# Altium PCB Light Control - 8-16 in 16-32 out MainBlock.PcbDoc
Units mm, origin at the board's own origin, x right, y up, seen from the top; angles counter-clockwise.
Board outline 152.4 x 101.6 mm, 2 copper layers (Top Layer, Bottom Layer); 29 components, 28 nets, 120 pads, 21 vias.
Unrouted connection lines stored in the file: 1.
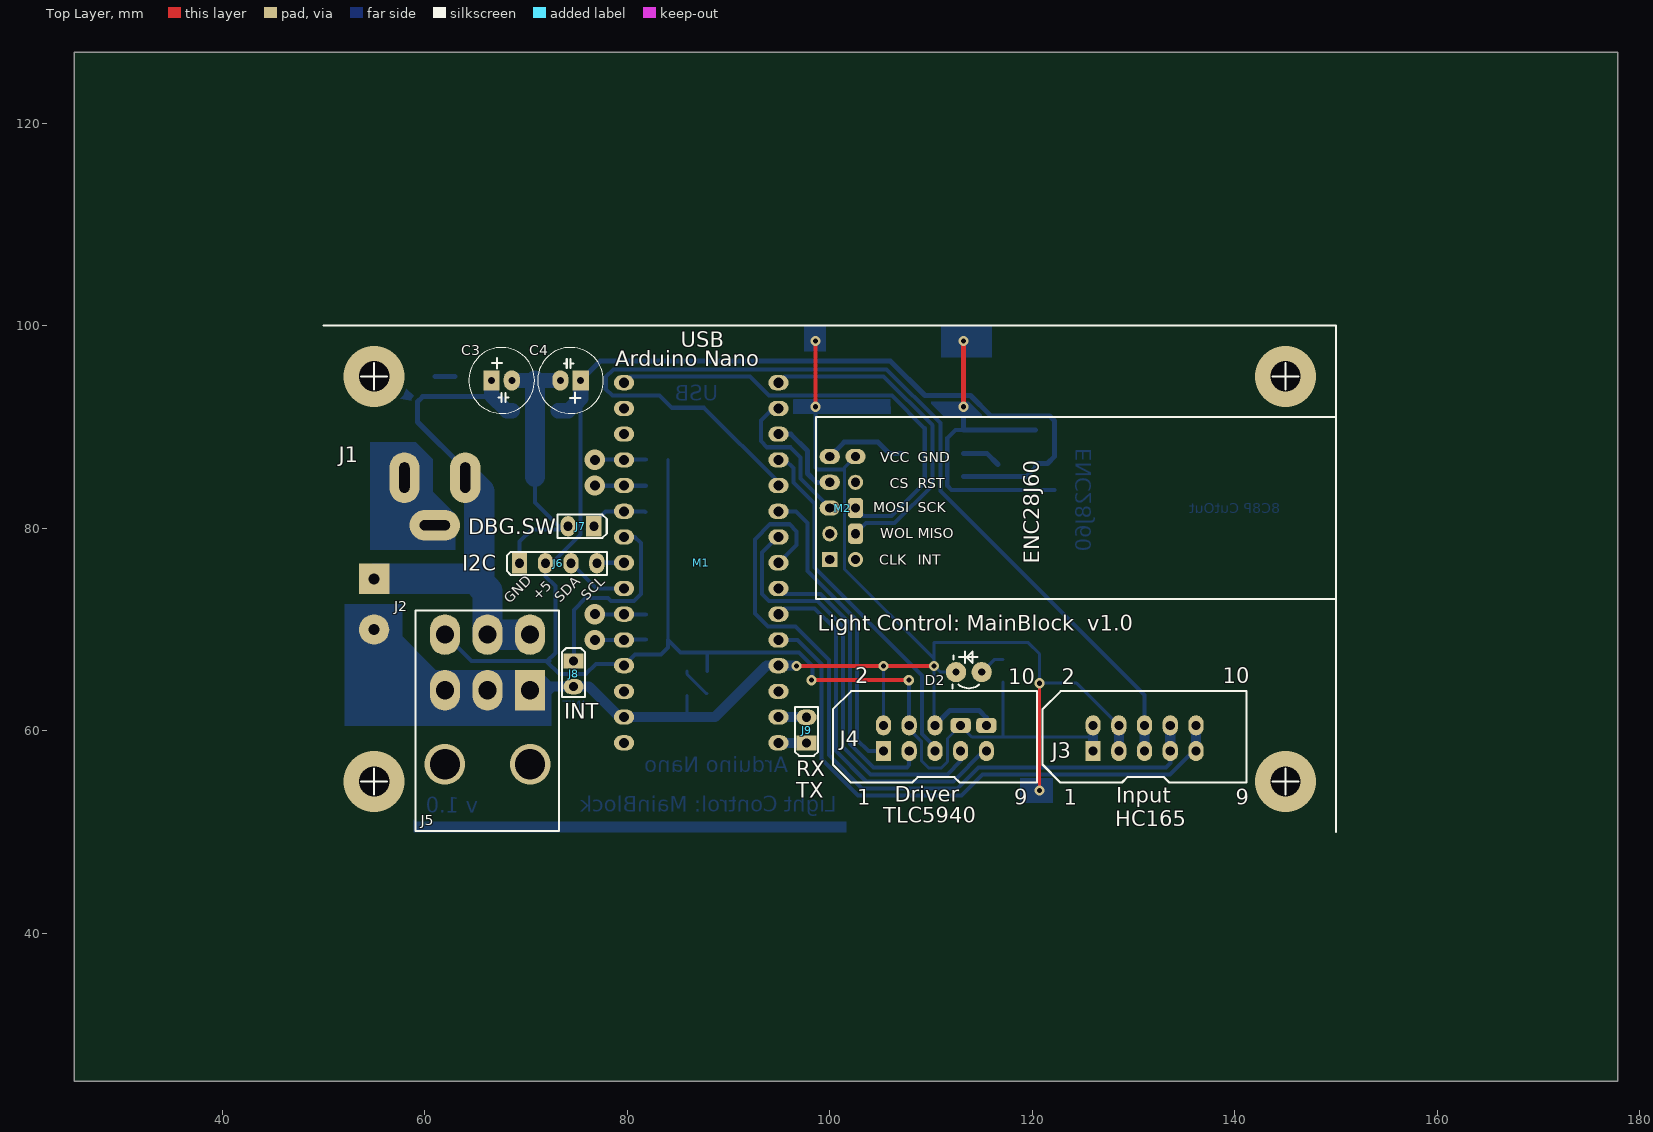
[diagram p0: Top Layer view]
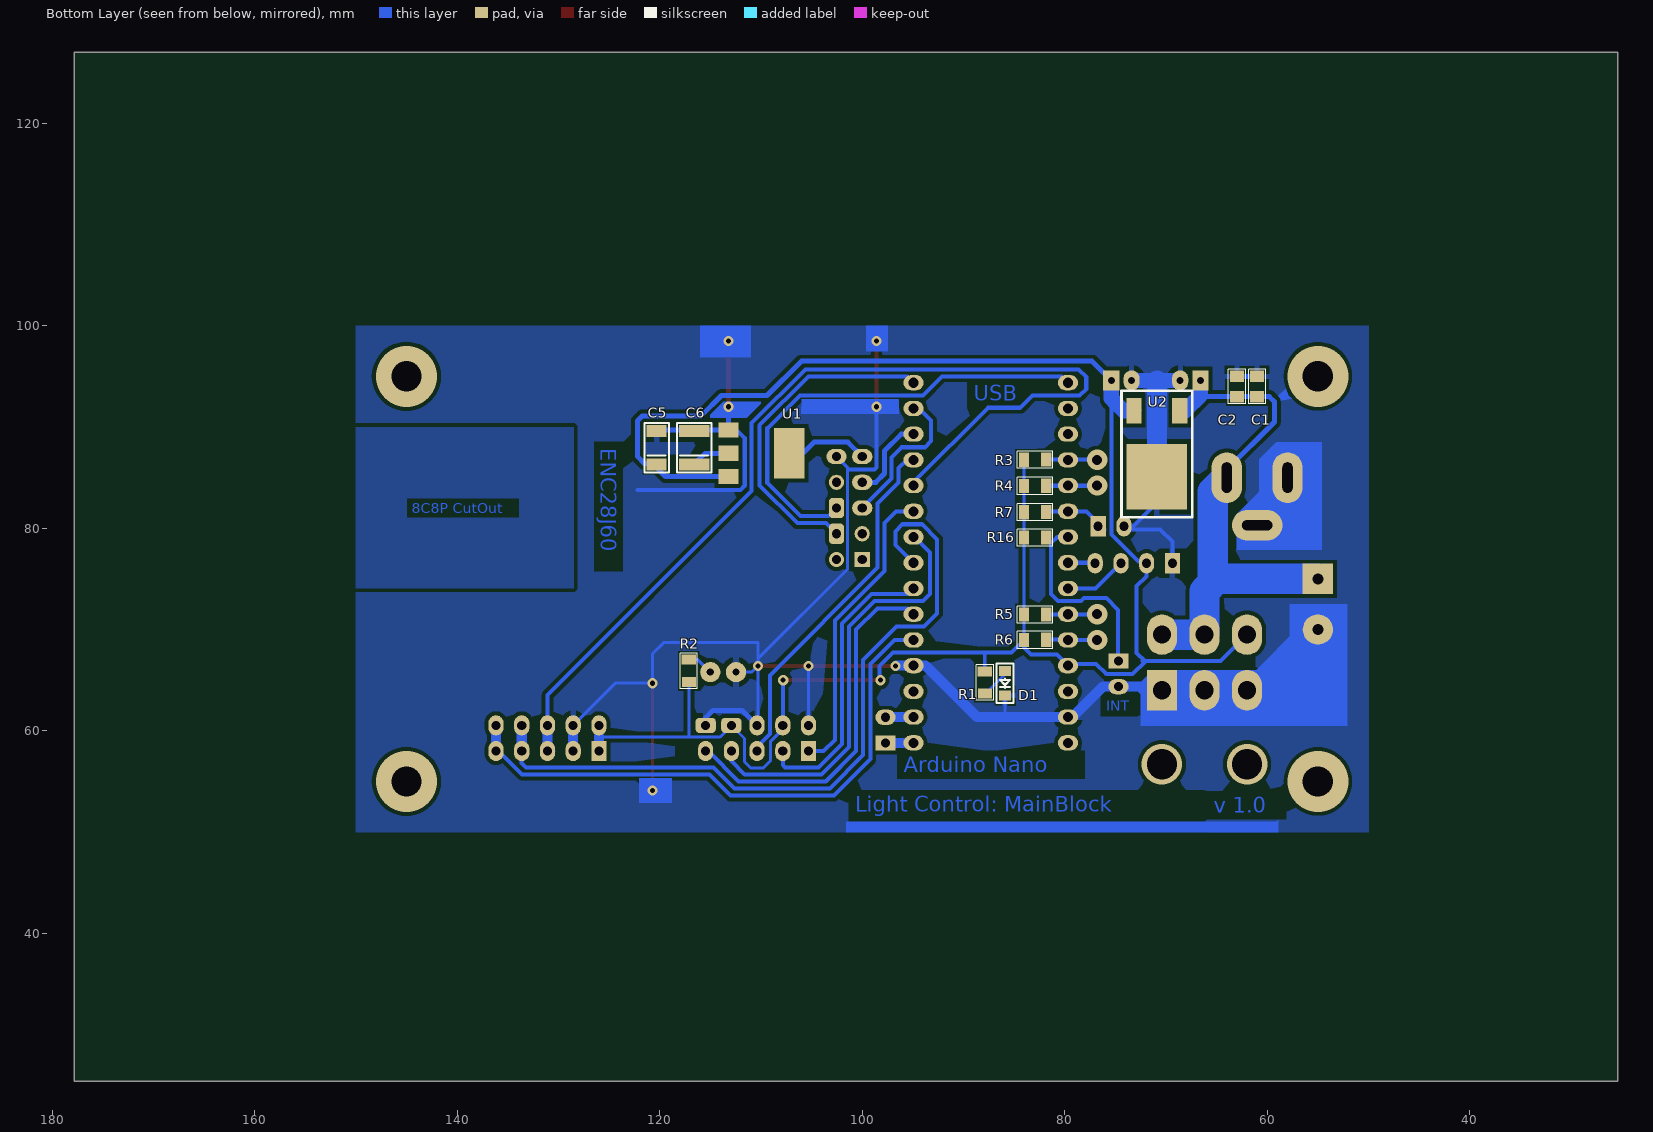
[diagram p1: Bottom Layer view, seen from below]

## Layer stack, top to bottom
Top Solder: solder mask 0.0102, Solder Resist, Dk 3.5
Top Layer: signal copper 0.0356
Dielectric 1: dielectric 0.32, FR-4, Dk 4.8
Bottom Layer: signal copper 0.0356
Bottom Solder: solder mask 0.0102, Solder Resist, Dk 3.5

## Board outline
25.4,25.4 177.8,25.4 177.8,127 25.4,127

## Design rules (kind name [scope] priority, off if disabled: settings)
Clearance Poly [InPolygon] p1: gap=0.4
Clearance [All] p2: gap=0.2
PlaneConnect [All] p1: planeconnectstyle=Relief reliefexpansion=0.508 reliefentries=4 reliefconductorwidth=0.5 reliefairgap=0.5
PolygonConnect "VIA to GND" [IsVia vs InNet('GND')] p1: connectstyle=Relief reliefconductorwidth=0.5 reliefentries=4 polygonreliefangle="90 Angle" airgapwidth=0
PolygonConnect [All] p2: connectstyle=Relief reliefconductorwidth=0.5 reliefentries=4 polygonreliefangle="90 Angle" airgapwidth=0.5
RoutingVias [All] p1: holewidth=0.711 width=1.27 viastyle="Through Hole" minholewidth=0.711 minwidth=1.27 maxholewidth=0.711 maxwidth=1.27
SolderMaskExpansion [All] p1: expansion=0.102
Width [All] p1: maxlimit=3 minlimit=0.3 preferedwidth=0.4
28 further rules are at their usual default settings.

## Components (designator, comment, footprint, x,y, rotation, side; value= is the part's Value field where it differs from the comment)
C1 "0.01uF" "SMD 0805 (2012)"#1 61,93 r90 bottom
C2 "0.1uF" "SMD 0805 (2012)"#1 63,93 r90 bottom
C3 "25v 220mF" "Cap E p2mm D6.5xH11" 66.6,94.6 r0 top
C4 "220mF 16v" "Cap E p2mm D6.5xH11" 75.4,94.6 r180 top
C5 "10uF" "SMD 1206 Tantal (3216)" 120.3,86.3 r90 bottom
C6 "22uF" "SMD 3528 Tantal (1210)" 116.6,86.3 r90 bottom
D1 "Green" "LED SMD 0805 Green" 85.9,65.9 r270 bottom
D2 "FYL-3014GD" "LED Round 3mm Green" 115,65.8 r180 top
J1 "Connector" "DC Connector" 64,85 r180 top
J2 "Connector" "DG301 5mm 2p" 55,75 r270 top
J3 "to HC165" "LINE 2.54 x 10D (2 x 5) - BH"#1 126,58 r90 top
J4 "TO TLC5490" "LINE 2.54 x 10D (2 x 5) - BH"#2 105.3,58 r90 top
J5 "To TLC5490 PowerLine" "Molex Mini-Fit Jr - 6Pin R" 62,64 r90 top
J6 "I2C" "Line 2.54 X 4" 69.375,76.55 r90 top
J7 "ON/OFF Display and serial" "Line 2.54 x 2" 76.7,80.2 r270 top
J8 "Int0" "Line 2.54 x 2" 74.7,66.9 r0 top
J9 "RX-TX" "Line 2.54 x 2" 97.7,58.8 r180 top
M1 "Arduino Nano" "Arduino Nano" 94.925,94.375 r270 top
M2 "ENC28J60" "ENC28J60 MiNi" 100,82 r0 top
R1 "4.7k Om" "SMD 0805 (2012)"#2 87.9,65.8 r270 bottom
R2 "4.7k Om" "SMD 0805 (2012)"#2 117.1,64.9 r90 bottom
R3 "10kOm" "SMD 0805 (2012)"#2 81.9,86.8 r0 bottom
R4 "10kOm" "SMD 0805 (2012)"#2 81.9,84.2 r0 bottom
R5 "10kOm" "SMD 0805 (2012)"#2 81.9,71.5 r0 bottom
R6 "10kOm" "SMD 0805 (2012)"#2 81.9,69 r0 bottom
R7 "10kOm" "SMD 0805 (2012)"#2 81.9,81.6 r0 bottom
R16 "10kOm" "SMD 0805 (2012)"#2 81.9,79.1 r0 bottom
U1 "AMS1117 1.5 / 1.8 / 2.5 / 2.85 / 3.3 / 5.0" "SOT-223-3 (AMS)" 106.2,87.4 r270 bottom
U2 "7805C" D-PAK 70.9,85.1 r90 bottom

## Footprints (in the part's own frame and the unit in brackets; to place one, negate y for a bottom-side part, rotate by r counter-clockwise, add the part's x,y. Pads: shape width x height; smd on the part's side, far side on the other; paste and mask are expansions set on the pad)
"Arduino Nano" [mm]
  oval 1.5x2 hole 1: 3V3(2.54,-15.24) 5V(27.94,-15.24) A0(7.62,-15.24) A1(10.16,-15.24) A2(12.7,-15.24) A3(15.24,-15.24) A4(17.78,-15.24) A5(20.32,-15.24) A6(22.86,-15.24) A7(25.4,-15.24) AREF(5.08,-15.24) D2(25.4,0) D3(22.86,0) D4(20.32,0) D5(17.78,0) D6(15.24,0) D7(12.7,0) D8(10.16,0) D9(7.62,0) D10(5.08,0) D11(2.54,0) D12(0,0) D13(0,-15.24) GND(27.94,0) GND(33.02,-15.24) Reset(30.48,-15.24) Reset(30.48,0) RXD(33.02,0) TXD(35.56,0) VIN(35.56,-15.24)
  body extent -5.51,-16.53 39.41,1.27, height 21.18
"Cap E p2mm D6.5xH11" [mm] "D 6.5mm; H 11mm"
  rect 1.6x2 hole 0.7: 1(0,0)
  oval 1.6x2 hole 0.7: 2(2,0)
  silkscreen extent -2.25,-3.25 4.25,3.25, body extent -2.22,-3.22 4.27,3.28, height 11.49
D-PAK [mm]
  rect 2.54x1.5 smd: 1(6.5,-2.25) 3(6.5,2.25)
  rect 6.48x5.97 smd: 2(0,0)
  silkscreen extent -4,-3.5 8.5,3.5, body extent -2.7,-3.29 7,3.29, height 2.3
"DC Connector" [mm] "Ext Pin D: 5.5mm; Int Pin D: 2.5mm"
  oval 5x3 hole 1 slot 3 at 0 deg: GND(3,4.7)
  oval 3x5 hole 1 slot 3 at 90 deg: GND(6,0) VCC(0,0)
  body extent -0.2,-4.53 13.63,4.98, height 11
"DG301 5mm 2p" [mm]
  rect 3x3 hole 1.1: 1(0,0)
  round 3 hole 1.1: 2(5,0)
  body extent -3.1,-3.4 7.5,4.2, height 10
"ENC28J60 MiNi" [mm]
  rect 1.5x1.5 hole 0.9: CLK(0,-5.08)
  oval 2x1.5 hole 0.9: CS(0,2.54) GND(2.54,5.08) MOSI(0,0) VCC(0,5.08)
  round 1.5 hole 0.9: INT(2.54,-5.08) RESET(2.54,2.54) WOL(0,-2.54)
  rrect50% 1.5x2 hole 0.9: MISO(2.54,-2.54) SCK(2.54,0)
  silkscreen extent -1.35,-9 50,9, body extent -1.3,-9 50,9, height 14.1
"LED Round 3mm Green" [mm]
  round 2 hole 0.7: A(0,0) K(2.54,0)
  silkscreen extent 0.25,-2.03 2.88,1.63, body extent -0.39,-1.65 2.91,1.64, height 5.51
"LED SMD 0805 Green" [mm]
  rect 1x1.143 smd: A(0,0) K(2.425,0)
  silkscreen extent -0.75,-0.82 3.17,0.83, body extent 0.22,-0.62 2.24,0.63, height 1.1
"Line 2.54 x 2" [mm]
  rect 2x1.5 hole 0.9: 1(0,0)
  oval 2x1.5 hole 0.9: 2(0,-2.54)
  silkscreen extent -1.15,-3.57 1.15,1.28, body extent -1.25,-3.69 1.25,1.39, height 8.3
"Line 2.54 X 4" [mm]
  rect 2x1.5 hole 0.9: 1(0,0)
  oval 2x1.5 hole 0.9: 2(0,-2.54) 3(0,-5.08) 4(0,-7.62)
  silkscreen extent -1.17,-8.62 1.12,1.27, body extent -1.25,-8.78 1.25,1.38, height 8.2
"LINE 2.54 x 10D (2 x 5) - BH"#1 [mm]
  rect 2x1.5 hole 0.9: 1(0,0)
  oval 2x1.5 hole 0.9: 2(2.54,0) 3(0,-2.54) 4(2.54,-2.54) 5(0,-5.08) 6(2.54,-5.08) 7(0,-7.62) 8(2.54,-7.62) 9(0,-10.16) 10(2.54,-10.16)
  silkscreen extent -3.1,-15.15 5.92,5, body extent -3.18,-15.25 6.03,5.1, height 8.84
"LINE 2.54 x 10D (2 x 5) - BH"#2 [mm]
  rect 2x1.5 hole 0.9: 1(0,0)
  oval 2x1.5 hole 0.9: 2(2.54,0) 3(0,-2.54) 4(2.54,-2.54) 5(0,-5.08) 6(2.54,-5.08) 7(0,-7.62) 9(0,-10.16)
  rrect50% 1.5x2 hole 0.9: 8(2.54,-7.62) 10(2.54,-10.16)
  silkscreen extent -3.1,-15.15 5.92,5, body extent -3.18,-15.25 6.03,5.1, height 8.84
"Molex Mini-Fit Jr - 6Pin R" [mm] "Molex Mega-Fit"
  rect 4x3 hole 1.8: 1(0,-8.4)
  oval 4x3 hole 1.8: 2(0,-4.2) 3(0,0) 4(5.5,-8.4) 5(5.5,-4.2) 6(5.5,0)
  silkscreen extent -13.9,-11.27 7.88,2.9, body extent -13.89,-11.5 6.04,2.7, height 11.4
"SMD 0805 (2012)"#1 [mil]
  rect 45x55 smd: 1(0,0) 2(78.74,0)
  silkscreen extent -29,-33 107,33, body extent 1,-25 80,25, height 31
"SMD 0805 (2012)"#2 [mil]
  rect 39.37x55.12 smd: 1(-2.95,0) 2(83.66,0.98)
  silkscreen extent -29,-32 109,34, body extent 1,-24 80,26, height 18
"SMD 1206 Tantal (3216)" [mm]
  rect 1.2x2 smd: GND(3.3,0) VCC(0,0)
  silkscreen extent -0.8,-1.2 4.1,1.2, body extent -0.05,-0.9 3.35,0.9, height 1.8
"SMD 3528 Tantal (1210)" [mm]
  rect 1.2x3 smd: GND(3.3,0) VCC(0,0)
  silkscreen extent -0.8,-1.7 4.1,1.7, body extent -0.2,-1.46 3.5,1.47, height 2.03
"SOT-223-3 (AMS)" [mm]
  rect 1.5x2 smd: 1(-2.3,-7) 2(0,-7) 3(2.3,-7)
  rect 5x3 smd: 2(0,-1)
  body extent -3.25,-7.37 3.25,-0.38, height 1.85

## Part data
C1 C2: library part "Cap SMD 0402-1812", "Capacitor"
C3 C4: library part "Cap E 220mF x 16V", "Capacitor"
C5 C6: library part "Cap Tantal", "Capacitor"
D1: library part "Led SMD Green", "?2v ?20mA"
D2: library part "Led Round 3mm Green", "2.1v 10mA, 15-30mCd"
J1: library part "DC Connector (PJ-002B)", "DC Connector"
J2: library part DG301-5.0-2P12, "DG301 series"
J3 J4: library part "PLD-10 (2 x 5)", "Vert, Dbl line, Male"
J5: library part "Molex Mini-Fit Jr - 6 pin", "Right, Dbl line, Female"
J6: library part PLS-4, "Vert, Sgl line, Male"
J7 J8 J9: library part PLS-2, "Vert, Sgl line, Male"
R1 R2 R3 R4 R5 R6 R7 R16: library part "Res All Types"
U1: library part AMS1117_FIX, "Voltage Regulator SOT-223-3"
U2: "Voltage Regulator"

## Via types
v1: diameter 1, hole 0.5, Top Layer to Bottom Layer, 11 vias
v2: diameter 2, hole 1, Top Layer to Bottom Layer, 4 vias
v3: diameter 6, hole 3, Top Layer to Bottom Layer, 4 vias
v4: diameter 4, hole 3, Top Layer to Bottom Layer, 2 vias

## Nets (pads, with @x,y where several pads share a name; then routed paths per layer and width w, separated by ;. In a path a pad name is that pad's centre, name@x,y a point inside that pad or via, vN(x,y) a via of type N, cw(c..) or ccw(c..) an arc to the next point about the centre after c; other vN are vias at no path point)
+3.3V: C6.VCC M2.VCC U1.2 | length 12.1
  Bottom Layer w0.5: M2.VCC 101.42,88.5 104.75,88.5 105.85,87.4 U1.2@107.2,87.4 ; U1.2@113.2,87.4 115.5,87.4 C6.VCC
+5V: C4.1 C5.VCC J3.1 J3.2 J4.4 J4.8 J5.6 J6.2 M1.5V R1.1 R2.1 R3.2 R4.2 R5.2 R6.2 R7.2 R16.2 U1.3 U2.3 | length 204.2
  Top Layer w0.4: v1(98.2,65) v1(107.8,65)
  Bottom Layer w0.3: R6.2 R5.2 R16.2 R7.2 R4.2 R3.2 ; R1.1 87.9,67.625 ; J4.4 107.84,60.16 109.075,58.925 109.075,57.025 109.75,56.35 111.025,56.35 111.625,56.95 111.625,59.245 J4.8 112.92,60.505 114.025,59.4 117.2,59.4 ; R2.1 117.1,59.5 117.2,59.4 ; 126,59.45 125.95,59.4 117.2,59.4
  Bottom Layer w0.4: J5.6 64.6,66.9 72.3,66.9 ; 75.8,92.4 75.4,92 75.4,79.4 72.7,76.7 71.94,76.7 71.94,75.26 72.9,74.3 72.9,67.7 72.05,66.85 73.3,65.6 75.9,65.6 76.9,66.6 79.52,66.6 M1.5V 80.775,67.525 83.325,67.525 84.025,68.225 R6.2 85.275,67.725 96.975,67.725 98.3,66.4 v1@98.3,65 ; J4.4 v1@107.84,64.74
  Bottom Layer w0.5: C4.1 77.3,96.5 106,96.5 109.4,93.1 113.9,93.1 115.9,91.1 121.7,91.1 122.2,90.6 122.2,87.1 121.5,86.4 120.3,86.4 120.3,85.975 119.425,85.1 U1.3
  Bottom Layer w1: J3.1 126,59.45
  Bottom Layer w1.5: U2.3 74.2,91.6 75.4,92.8 C4.1
+12V: C1.1 C2.1 C3.1 J1.VCC J2.1 J5.4 J5.5 U2.1 | length 52
  Bottom Layer w0.5: J1.VCC 64,85.8 59.3,90.5 59.3,92.5 59.8,93 C1.1 C2.1 66.5,93
  Bottom Layer w1.5: C3.1 66.6,93.1 68.1,91.6 U2.1
  Bottom Layer w3: J2.1 65,75 ; J1.VCC 65.4,83.6 65.4,75.4 65,75 ; J5.4 J5.5 66.2,73.8 65,75
A0: M1.A0 R3.1 | length 5
  Bottom Layer w0.4: v2@76.84,86.8 R3.1
  other v2: 76.8,86.76
A1: M1.A1 R4.1 | length 5
  Bottom Layer w0.4: v2@76.82,84.2 R4.1
  other v2: 76.8,84.22
A6: M1.A6 R5.1 | length 5
  Bottom Layer w0.4: v2(76.8,71.52) 76.82,71.5 R5.1
A7: M1.A7 R6.1 | length 5
  Bottom Layer w0.4: v2@76.805,68.975 M1.A7 ; M1.A7@79.71,69 R6.1
  other v2: 76.8,68.98
BLANK: J4.7 M1.D6 | length 41.9
  Bottom Layer w0.4: M1.D6 94.835,79.135 93.3,77.6 93.3,73.5 94,72.8 98.8,72.8 101.3,70.3 101.3,58.4 102.6,57.1 104,55.7 111.6,55.7 112.92,57.02 J4.7
"BUTTON 1": J8.1 M1.A3 R16.1 | length 18.7
  Bottom Layer w0.4: 74.75,67.7 74.75,71.95 75.9,73.1 78.1,73.1 78.375,72.825 80.675,72.825 81.34,73.49 81.34,78.535 80.74,79.135 M1.A3
CLK165: J3.7 J3.8 M1.D5 | length 74.6
  Bottom Layer w0.4: M1.D5 96.7,78.37 96.7,79.7 96,80.4 94.1,80.4 92.6,78.9 92.6,71.6 93.9,70.3 96.6,70.3 99.9,67 99.9,57.6 103.2,54.3 112.6,54.3 114.7,56.4 133.2,56.4 133.62,56.82 J3.7
  Bottom Layer w1: J3.7 J3.8
"DBG SW": J7.1 M1.A2 R7.1 | length 6.5
  Bottom Layer w0.4: J7.1@76.075,79.9 77.85,81.675 M1.A2 81.725,81.675 R7.1@81.775,81.625
GND: C1.2 C2.2 C3.2 C4.2 C5.GND C6.GND D1.K D2.K J1.GND J2.2 J3.3 J3.4 J4.2 J4.6 J4.10 J5.1 J5.2 J5.3 J6.1 J7.2 J8.2 M1.GND M2.GND U1.1 U2.2 | length 229.5
  Top Layer w0.3: v1(120.7,54.1) v1(120.7,64.7)
  Top Layer w0.4: v1(96.7,66.4) v1(105.3,66.4) v1(110.3,66.4) ; v1(98.6,92) v1(98.6,98.5)
  Top Layer w0.5: v1(113.2,92) v1(113.2,98.5)
  Bottom Layer w0.3: 85.9,61.355 D1.K ; M2.GND@102.54,87.015 M2.GND 101.44,85.98 101.44,75.98 110.3,67.12 ; J4.2 v1(105.3,66.4) ; J4.6@110.3,60.54 v1(110.3,66.4) ; D2.K 110.9,65.8 v1(110.3,66.4) ; J3.4 124.38,64.7 v1(120.7,64.7) 120.7,67.6 119.6,68.7 110.3,68.7 110.3,67.12 ; v1(110.3,66.4) 110.3,67.12
  Bottom Layer w0.4: J6.1 69.375,78.675 70.6,79.9 73.535,79.9 70.9,82.535 U2.2 ; v1(98.6,92) 98.6,86 98.8,85.8 101.4,85.8 ; U1.1 112.4,89.7 111.6,88.9 111.6,84.2 112,83.8 122.2,83.8
  Bottom Layer w0.5: C1.2 C2.2 ; J4.6 111.865,62.025 114.725,62.025 115.46,61.29 J4.10 ; v1(113.2,92) U1.1 C5.GND@120.3,89.7
  Bottom Layer w1: J5.1 72.2,64 72.56,64.36 J8.2 76.24,64.36 79.245,61.355 79.685,61.355 88.655,61.355 93.735,66.435 94.925,66.435 v1@96.665,66.435 ; J3.3 J3.4
  Bottom Layer w1.5: C3.2 70.9,94.6 C4.2
  Bottom Layer w2: U2.2 70.9,94.6
  Bottom Layer w3: J2.2 61,64 J5.3 J5.2 J5.1 ; J1.GND@58,83.3 J1.GND@61,80.3
GSCLK: J4.9 M1.D3 | length 36.1
  Bottom Layer w0.4: M1.D3 95.51,72.1 98.5,72.1 100.6,70 100.6,58 103.6,55 112.2,55 115.2,58 J4.9
LATCH165: J3.9 J3.10 M1.D2 | length 57.5
  Bottom Layer w0.4: M1.D2 96.825,68.975 99.2,66.6 99.2,57.2 102.8,53.6 113,53.6 115.1,55.7 133.6,55.7 135.9,58 J3.9
  Bottom Layer w1: J3.9 J3.10
MISO: M1.D12 M2.MISO | length 33
  Bottom Layer w0.4: M1.D12 95.55,95 105.3,95 110.125,90.175 110.125,84.225 106.4,80.5 103.58,80.5 M2.MISO
MOSI: M1.D11 M2.MOSI | length 15.2
  Bottom Layer w0.254: M2.MOSI@99.8,82 M2.MOSI
  Bottom Layer w0.4: M1.D11 94.385,91.835 93.2,90.65 93.2,88.6 93.8,88 96.1,88 97.1,87 97.1,84.9 M2.MOSI
NetD1_A: D1.A R1.2 | length 3.1
  Bottom Layer w0.3: D1.A 85.9,65.6 87.825,63.675 R1.2
NetD2_A: D2.A R2.2 | length 2.6
  Bottom Layer w0.3: D2.A 116.225,67.025 R2.2
RX: J9.2 M1.RXD | length 2.8
  Bottom Layer w1: M1.RXD J9.2@97.685,61.355
SCK: M1.D13 M2.SCK | length 46
  Bottom Layer w0.4: M1.D13 80.31,95 92.1,95 93.975,93.125 106.125,93.125 109.375,89.875 109.375,84.475 106.1,81.2 103.34,81.2 M2.SCK
SCL: J6.4 M1.A4 | length 2.7
  Bottom Layer w0.4: J6.4 77.04,76.595 M1.A4
SCLK: J4.3 M1.D4 | length 28.9
  Bottom Layer w0.4: M1.D4@94.725,74.125 95.35,73.5 99.1,73.5 102,70.6 102,58.7 104.3,56.4 107.625,56.4 107.84,56.615 J4.3
SDA: J6.3 M1.A5 | length 6.3
  Bottom Layer w0.4: J6.3 76.95,74.055 M1.A5
SERIALOUT165: J3.5 J3.6 M1.D8 | length 99.7
  Bottom Layer w0.254: M1.D8@94.685,83.975 M1.D8 ; J3.5@130.389,58 J3.5
  Bottom Layer w0.4: M1.D8 94.925,84.575 87.6,91.9 84.4,91.9 83.175,93.125 78.525,93.125 77.875,93.775 77.875,94.925 78.65,95.7 105.6,95.7 110.925,90.375 110.925,83.675 131.08,63.52 J3.6
  Bottom Layer w1: J3.5 J3.6
SIN: J4.1 M1.D7 | length 30.9
  Bottom Layer w0.254: J4.1 J4.1@105.3,58.691
  Bottom Layer w0.3: J4.1@105,58 J4.1
  Bottom Layer w0.4: M1.D7 96.65,81.675 97.8,80.525 97.8,75.8 102.7,70.9 102.7,59.1 103.8,58 J4.1
SS: M1.D10 M2.CS | length 8.4
  Bottom Layer w0.5: M1.D10 96.155,89.295 97.8,87.65 97.8,85.4 98.66,84.54 M2.CS
TX: J9.1 M1.TXD | length 2.8
  Bottom Layer w1: M1.TXD J9.1@97.685,58.815
XLAT: J4.5 M1.D9 | length 36.2
  Bottom Layer w0.254: J4.5 J4.5@110.38,58.691
  Bottom Layer w0.4: M1.D9 95.595,86.755 96.4,85.95 96.4,84.5 98.475,82.425 98.475,76.125 109.125,65.475 109.125,59.675 110.38,58.42 J4.5
pads on no net: M1.3V3 M1.AREF M1.Reset M1.VIN M2.CLK M2.INT M2.RESET M2.WOL
copper on no net:
  other v3: 55,55 145,55 55,95 145,95
  other v4: 62,56.7 70.4,56.7

## Polygon pours and split planes (outlines as drawn)
GND on Bottom Layer "Top Layer-No Net" (solid, pour order 4): 150,100 150,50 50,50 50,100
no net on Bottom Layer "Top Layer-No Net" (solid, pour order 2): 150,74.1 128.5,74.1 128.5,90 150,90

## Other copper
Bottom Layer:
  region net GND: 101.6,50 58.9,50 58.9,51.2 59.1,51 101.6,51
  region net GND: 57.8,72.5 52.1,72.5 52.1,60.5 72.5,60.5 72.5,64.8 71.3,66 59,66 57.8,67.2
  region net GND: 58.2,93.8 58.123,93.645 58,93.3 57.9,93.1 57.722,92.954 57.6,92.8 58.656,92.591 58.656,92.756 58.936,93.063
  region net GND: 113.7,92.5 115,91.2 115,90.9 111.4,90.9 110,92.3 110,92.5
  region net GND: 122,55.3 118.8,55.3 118.8,52.9 122,52.9
  region net GND: 105.956,92.717 96.417,92.717 96.4,92.7 96.4,91.3 106,91.3
  region net GND: 97.5,100 99.6,100 99.6,97.5 97.5,97.5
  region net GND: 111,100 116,100 116,96.9 111,96.9
  region net GND: 54.6,88.5 59.092,88.508 60.8,86.8 60.8,83.6 63,81.4 63,77.9 54.6,77.9
  text "USB" at 89,92.6 h1.5
  text "ENC28J60" at 125.8,87.9 h1.5 r90
  text "8C8P CutOut" at 144.5,81.5 h1
  text "INT" at 75.9,62 h1
  text "Arduino Nano" at 95.9,55.9 h1.5
  text "Light Control: MainBlock" at 100.7,52 h1.5
  text "v 1.0" at 65.3,51.9 h1.5

## Silkscreen, mask and mechanical layers (free items; w line width, h text height)
Top Overlay:
  lines w0.2: 50,100 150,100 150,50 ; 53.7,55 56.3,55 ; 53.7,95 56.3,95 ; 55,53.7 55,56.3 ; 55,93.7 55,96.3 ; 143.7,55 146.3,55 ; 143.7,95 146.3,95 ; 145,53.7 145,56.3 ; 145,93.7 145,96.3
  text "USB" at 85.3,97.9 h1.5
  text "Arduino Nano" at 78.8,96 h1.5
  text "DBG.SW" at 64.3,79.4 h1.5
  text "I2C" at 63.7,75.8 h1.5
  text "+5" at 71.2,72.8 h1 r45
  text "SCL" at 76,72.8 h1 r45
  text "SDA" at 73.4,72.6 h1 r45
  text "GND" at 68.4,72.5 h1 r45
  text "Light Control: MainBlock  v1.0" at 98.8,69.9 h1.5
  text "INT" at 73.8,61.2 h1.5
  text "RX" at 96.7,55.5 h1.5
  text "TX" at 96.7,53.4 h1.5
  text "Driver" at 106.4,53 h1.5
  text "Input" at 128.3,52.9 h1.5
  text "TLC5940" at 105.3,50.9 h1.5
  text "HC165" at 128.2,50.6 h1.5

## Text inside footprints (layer, text, board x,y; h text height)
J3: Top Overlay "1" at 123.1,52.7 h1.52; Top Overlay "2" at 122.9,64.6 h1.52; Top Overlay "9" at 140.1,52.7 h1.52; Top Overlay "10" at 138.8,64.7 h1.52
J4: Top Overlay "1" at 102.7,52.7 h1.52; Top Overlay "2" at 102.5,64.7 h1.52; Top Overlay "9" at 118.2,52.7 h1.52; Top Overlay "10" at 117.6,64.6 h1.52
M2: Top Overlay "INT" at 108.7,76.42 h1; Top Overlay "CLK" at 104.9,76.42 h1; Top Overlay "MISO" at 108.7,79 h1; Top Overlay "MOSI" at 104.3,81.58 h1; Top Overlay "WOL" at 105,79 h1; Top Overlay "SCK" at 108.7,81.58 h1; Top Overlay "RST" at 108.7,83.96 h1; Top Overlay "GND" at 108.7,86.54 h1; Top Overlay "VCC" at 105,86.54 h1; Top Overlay "CS" at 105.9,83.96 h1